# Altium PCB PCB1.PcbDoc (part 1 of 2) (continued)
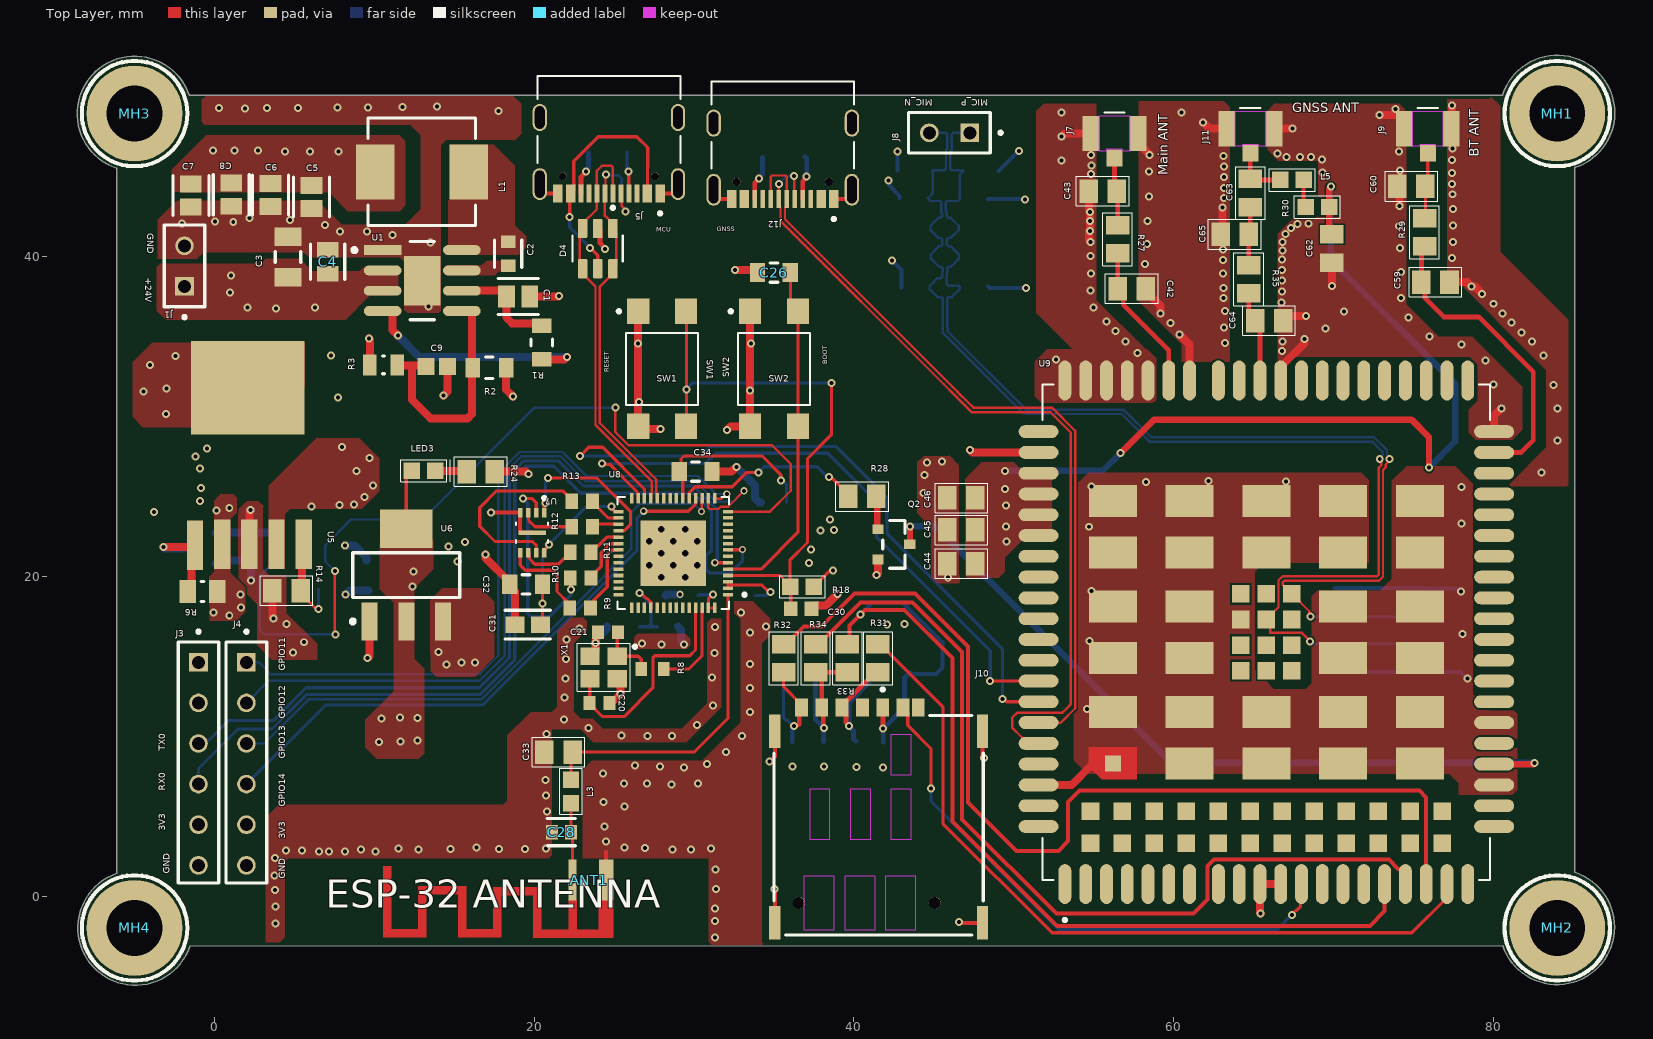
[diagram p0: Top Layer view]
## Part data (continued)
D4: "ESD Suppressor Diode Array Dual Uni-Dir 15kV Air Gap/15kV Contact Disc 6-Pin SOT-23 T/R", Breakdown Voltage=6V, Case/Package=SOT-23, Clamping Voltage=17V, Leakage Current=150nA, Manufacturer=STMicroelectronics, Max Operating Temperature=125°C, Max Repetitive Reverse Voltage (Vrrm)=5.25V, Min Operating Temperature=-40°C, Operating Supply Voltage=1.1V, Package Quantity=3000, Peak Pulse Current=5A, Power Line Protection=Yes, Test Current=1mA, Working Voltage=5V, Category="TVS Diodes", Clamping Voltage-Max=17V, ComponentLink1Description=https://datasheet.ciiva.com/1268/1690354-1268384.pdf?src-supplier=Element14, ComponentLink1URL=https://datasheet.ciiva.com/1268/1690354-1268384.pdf?src-supplier=Element14, ComponentLink2Description=https://datasheet.ciiva.com/4508/cd00050750-113117-4508433.pdf?src-supplier=Mouser, ComponentLink2URL=https://datasheet.ciiva.com/4508/cd00050750-113117-4508433.pdf?src-supplier=Mouser, ComponentLink3Description=https://datasheet.ciiva.com/15143/getdatasheetpartid-148465-15143789.pdf?src-supplier=Verical, ComponentLink3URL=https://datasheet.ciiva.com/15143/getdatasheetpartid-148465-15143789.pdf?src-supplier=Verical, ComponentLink4Description=https://datasheet.ciiva.com/16200/cd00050750-16200026.pdf?src-supplier=Future+Electronics, ComponentLink4URL=https://datasheet.ciiva.com/16200/cd00050750-16200026.pdf?src-supplier=Future+Electronics, ComponentLink5Description=https://datasheet.ciiva.com/41444/001184109-da-01-en-ic-esd-protecti-usblc6-2sc6-sot-23-6-stm-41444156.pdf?src-supplier=Conrad, ComponentLink5URL=https://datasheet.ciiva.com/41444/001184109-da-01-en-ic-esd-protecti-usblc6-2sc6-sot-23-6-stm-41444156.pdf?src-supplier=Conrad, Data Rate=480Mbps, Depth=1.75mm, Direction=Unidirectional,Bidirectional, ESD Protection=Yes, Height=1.3mm, Lead Free="Lead Free", Length=3.05mm, Manufacturer Part Number=USBLC6-2SC6, Max Breakdown Voltage=6V, Max Reverse Leakage Current=150nA, Min Breakdown Voltage=6V, Mounting Technology="Surface Mount", Number of Bidirectional Channels=2, Number of Channels=2, Number of Elements=1, Packaging="Tape and Reel", Pins=6, Polarity=Unidirectional,Bidirectional, Pricing="3000=0,0796, 6000=0,0796, 9000=0,0796 (USD)", Radiation Hardening=No, Reach SVHC Compliant=No, Reverse Breakdown Voltage=6V, Reverse Standoff Voltage=5.25V, RoHS=Yes, RoHS Compliant=Yes, Series=USB, Stock=222000, Supplier="Arrow Electronics", Supplier Part Number=USBLC6-2SC6, Termination=SMD/SMT, Width=1.75mm
D5 D6 D7 D8 D9 D10: library part "ESD PESD5V0L1BA", "Esd Protection Device, Tvs, 7.6 V, Sod-323, 2 Rohs Compliant: Yes", Breakdown Voltage=7V, Manufacturer="NXP Semiconductors", Operating Supply Voltage=5V, Supplier Part Number=0509447, Category="TVS Diodes", ComponentLink1Description=https://datasheet.ciiva.com/7973/682594-7973878.pdf?src-supplier=Element14, ComponentLink1URL=https://datasheet.ciiva.com/7973/682594-7973878.pdf?src-supplier=Element14, Manufacturer Part Number=PESD5V0L1BA, Number of Channels=1NUMBER, Pricing="20=0,211, 200=0,195, 500=0,183, 1000=0,167, 2000=0,154 (EUR)", RoHS=Yes, Supplier=Rs
J1 J8: library part "Header 1X2 2.54 mm", "Conn Unshrouded Header HDR 2 POS 2.54mm Solder ST Thru-Hole Automotive Carton", Color=49Colour, Current Rating=5A, Insulation Resistance=5GR, Manufacturer="TE Connectivity", Manufacturer Part Number=826629-2, Category="Headers and Wire Housings", ComponentLink1Description=https://www.te.com/commerce/DocumentDelivery/DDEController?Action=srchrtrv&amp;DocNm=826629&amp;DocType=Customer+Drawing&amp;DocLang=English&src-supplier=Digikey, ComponentLink1URL=https://www.te.com/commerce/DocumentDelivery/DDEController?Action=srchrtrv&amp;DocNm=826629&amp;DocType=Customer+Drawing&amp;DocLang=English&src-supplier=Digikey, ComponentLink2Description=https://datasheet.octopart.com/826629-2-TE-Connectivity---AMP-datasheet-17024315.pdf?src-supplier=Element14, ComponentLink2URL=https://datasheet.octopart.com/826629-2-TE-Connectivity---AMP-datasheet-17024315.pdf?src-supplier=Element14, ComponentLink3Description=https://datasheet.octopart.com/826629-2-TE-Connectivity---AMP-datasheet-179310416.pdf?src-supplier=Farnell, ComponentLink3URL=https://datasheet.octopart.com/826629-2-TE-Connectivity---AMP-datasheet-179310416.pdf?src-supplier=Farnell, ComponentLink4Description=https://datasheet.octopart.com/826629-2-TE-Connectivity---AMP-datasheet-44414285.pdf?src-supplier=Electro+Sonic, ComponentLink4URL=https://datasheet.octopart.com/826629-2-TE-Connectivity---AMP-datasheet-44414285.pdf?src-supplier=Electro+Sonic, ComponentLink5Description=https://datasheet.octopart.com/826629-2-TE-Connectivity-datasheet-181566106.pdf?src-supplier=Sager+Electronics, ComponentLink5URL=https://datasheet.octopart.com/826629-2-TE-Connectivity-datasheet-181566106.pdf?src-supplier=Sager+Electronics, Contact Plating=154,157ConductorMaterial, Contact Style=4753ConnectorType, Gender=29Gender, Height=10mm, Housing Color=49Colour, Housing Material=175ConductorMaterial, Lead Free=5697LeadFree, Lead Pitch=2.54mm, Number of Contacts=2NUMBER, Orientation=5495OrientationType, Pins=2NUMBER, Pricing="1=0,15044, 10=0,14915, 30=0,14703, 50=0,14491, 100=0,14279 (USD)", RoHS=Yes, RoHS Compliant=5897YesNo, Row Spacing=2.54mm, Stock=21749, Supplier=Avnet, Supplier Part Number=826629-2
J3 J4: library part "Header Male 1X6", "THT Vertical Pin Header WR-PHD, Pitch 2.54 mm, Single Row, 6 pins", Color=Black, Contact Resistance=20mR, Current Rating=3A, Manufacturer="Wurth Electronics", Manufacturer Part Number=61300611121, Max Operating Temperature=125°C, Min Operating Temperature=-40°C, Operating Supply Voltage=250V, Supplier Part Number=710-61300611121, Category="Headers and Wire Housings", ComponentLink1Description=http://www.mouser.com/ds/2/445/6130xx11121-538006.pdf?src-supplier=Mouser, ComponentLink1URL=http://www.mouser.com/ds/2/445/6130xx11121-538006.pdf?src-supplier=Mouser, ComponentLink2Description=http://www.farnell.com/cad/1737268.pdf?src-supplier=Element14, ComponentLink2URL=http://www.farnell.com/cad/1737268.pdf?src-supplier=Element14, ComponentLink3Description=https://datasheet.octopart.com/61300611121-W%C3%BCrth-Elektronik-datasheet-21154836.pdf?src-supplier=Element14, ComponentLink3URL=https://datasheet.octopart.com/61300611121-W%C3%BCrth-Elektronik-datasheet-21154836.pdf?src-supplier=Element14, ComponentLink4Description=https://katalog.we-online.de/em/datasheet/6130xx11121.pdf?src-supplier=Digikey, ComponentLink4URL=https://katalog.we-online.de/em/datasheet/6130xx11121.pdf?src-supplier=Digikey, Contact Gender=Male, Contact Material="Copper Alloy,Copper", Contact Mating Length=0.236inch, Contact Plating=Gold, Contact Type="Male Pin", Gender=29Gender, Height=8.89mm, Housing Material=PBT, Lead Free=5697LeadFree, Mounting Technology="Through Hole", Number of Contacts=6, Number of Positions=6, Number of Rows=1, Orientation=5495OrientationType, Packaging=Bulk, Pitch=0.1inch, Pricing="1=0,35, 10=0,298, 50=0,207, 100=0,187, 1000=0,171, 10000=0,17 (USD)", Reach SVHC Compliant=Unknown, RoHS=Yes, RoHS Compliant=Yes, Series=WR-PHD, Stock=8481, Supplier=Mouser, Termination="Through Hole", Voltage Rating=250V
J5 J12: Manufacturer="HRO Electronics", Supplier Part Number=C165948, Category=LDO, Manufacturer Part Number=TYPE-C-31-M-12, Pricing="5=0,171, 50=0,1346, 150=0,1168, 1000=0,0966, 2000=0,0923, 5000=0,0896 (USD)", RoHS=No, Stock=137245, Supplier=LCSC
J7 J9 J11: "RF COAX Connector, U.FL JACK, PCB, 50 OHM; Co; Connector Type: U.FL Coaxial; Body Style: Straight", Frequency=8GHz, Manufacturer=Hirose, Category="RF / Coaxial Connectors", ComponentLink1Description=http://www.mouser.com/ds/2/185/U.FL_catalog-939761.pdf?src-supplier=Mouser, ComponentLink1URL=http://www.mouser.com/ds/2/185/U.FL_catalog-939761.pdf?src-supplier=Mouser, ComponentLink2Description=https://www.hirose.com/product/en/download_file/key_name/U.FL-R-SMT-1%2880%29/category/Specification%20Sheet/doc_file_id/37638/?file_category_id=9&item_id=03310472280&is_series=&src-supplier=Digikey, ComponentLink2URL=https://www.hirose.com/product/en/download_file/key_name/U.FL-R-SMT-1%2880%29/category/Specification%20Sheet/doc_file_id/37638/?file_category_id=9&item_id=03310472280&is_series=&src-supplier=Digikey, ComponentLink3Description=https://datasheet.octopart.com/U.FL-R-SMT-1%2880%29-Hirose-datasheet-137256329.pdf?src-supplier=Future+Electronics, ComponentLink3URL=https://datasheet.octopart.com/U.FL-R-SMT-1%2880%29-Hirose-datasheet-137256329.pdf?src-supplier=Future+Electronics, ComponentLink4Description=https://datasheet.octopart.com/U.FL-R-SMT-1%2880%29-Hirose-datasheet-151510633.pdf?src-supplier=TME, ComponentLink4URL=https://datasheet.octopart.com/U.FL-R-SMT-1%2880%29-Hirose-datasheet-151510633.pdf?src-supplier=TME, Contact Plating=157,159ConductorMaterial, Height=1.45mm, Lead Free=5697LeadFree, Manufacturer Part Number=U.FL-R-SMT-1(80), Number of Contacts=1NUMBER, Orientation=5491OrientationType, Pricing="10000=0,62403 (USD)", RoHS=Yes, Stock=10, Supplier=Avnet, Supplier Part Number=U.FL-R-SMT-1(80)
J10: "SIM8066 Series 6 Position 1.44 mm Pitch Push Push Type Nano SIM Card Connector", Manufacturer="Global Connector Technology", Supplier Part Number=3772945, Category=Connectors, ComponentLink1Description=https://datasheet.octopart.com/SIM8066-6-1-14-01-A-Global-Connector-Technology-datasheet-155811920.pdf?src-supplier=Future+Electronics, ComponentLink1URL=https://datasheet.octopart.com/SIM8066-6-1-14-01-A-Global-Connector-Technology-datasheet-155811920.pdf?src-supplier=Future+Electronics, Manufacturer Part Number=SIM8066-6-1-14-01-A, Pins=6, Pricing="1=1,11, 37=0,904, 112=0,859, 300=0,813, 750=0,677 (EUR)", RoHS=No, Stock=12609, Supplier=Farnell
L1: library part CMP-02424-000391-1, "Automotive Inductors, High Saturation Series 6.8uH 4.5A 60mΩ 20%", Case/Package=2525, DC Resistance (DCR)=60mR, Max Operating Temperature=125°C, Min Operating Temperature=-55°C, Resistance=0.06R, Test Frequency=100kHz, Tolerance=20%, Depth=6.72mm, Inductance=6.8uH, Lead Free="Lead Free", Length=7.24mm, Military Standard=Not, Packaging="Tape and Reel", Shielding=Shielded, Width=6.48mm
L2 L3: library part "Inductor 2.2nH 0603", "2nH 0603 Inductors (SMD) ROHS", Manufacturer="FH (Guangdong Fenghua Advanced Tech)", Manufacturer Part Number=VHF160808H2N0ST
L5: library part "Inductor 47 nH 0603", "Ind RF Chip Shielded Multi-Layer 47nH 20% 50MHz 10Q-Factor Ferrite 200mA 0603 Punched Paper T/R", Manufacturer="TDK EPCOS", Manufacturer Part Number=MLF1608D47NMTA00, Supplier Part Number=810-MLF1608D47NMTA00, Category="Fixed Inductors", ComponentLink1Description=https://datasheet.ciiva.com/29698/inductor-commercial-standard-mlf-en-29698906.pdf?src-supplier=Digikey, ComponentLink1URL=https://datasheet.ciiva.com/29698/inductor-commercial-standard-mlf-en-29698906.pdf?src-supplier=Digikey, ComponentLink2Description=https://datasheet.ciiva.com/29698/inductor-commercial-standard-mlf-en-29698907.pdf?src-supplier=Digikey, ComponentLink2URL=https://datasheet.ciiva.com/29698/inductor-commercial-standard-mlf-en-29698907.pdf?src-supplier=Digikey, ComponentLink3Description=https://datasheet.ciiva.com/29698/inductor-commercial-standard-mlf-en-29698908.pdf?src-supplier=Digikey, ComponentLink3URL=https://datasheet.ciiva.com/29698/inductor-commercial-standard-mlf-en-29698908.pdf?src-supplier=Digikey, Pricing="1=0,1, 10=0,084, 50=0,084, 100=0,069, 1000=0,057, 10000=0,044 (USD)", RoHS=Yes, Stock=24480, Supplier=Mouser
LED3: library part LED_Yellow_0603, "TJ-S1608SW6TGLCCW-A5", Manufacturer=Togialed, Supplier Part Number=C192669, Manufacturer Part Number=TJ-S1608SW6TGLCCW-A5, Pricing="10=0,0384, 100=0,0311, 300=0,0275, 1000=0,0248, 4000=0,0209, 8000=0,0198 (USD)", RoHS=No, Stock=15460, Supplier=LCSC
MH1 MH2 MH3 MH4: library part MH_3.5H_6D, Alternate Part Number-1=NA, Case/Package=TH, Manufacturer=NA, Manufacturer Part Number=NA, Supplier Part Number-1=NA, Supplier-1=NA
Q1 Q2: library part CMP-14406-000007-1, "TRANS NPN 45V 0.5A SOT23", Ambient Temperature Range High=+150°C, Ambient Temperature Range Low=-65°C, Collector Base Voltage=50V, Collector Emitter Breakdown Voltage=45V, Collector Emitter Saturation Voltage=700mV, Emitter Base Voltage=5V, Manufacturer=Nexperia, Max Collector Current=500mA, Package=SOT23, Power Dissipation=250mW, Temperature="to +150°C", Unity Gain Freq=100MHz, Automotive=Yes, Automotive Grade="Grade 0", Category=Trans, Collector Emitter Voltage=45V, ComponentLink2Description=Datasheet, ComponentLink2URL=https://assets.nexperia.com/documents/data-sheet/BC817_SER.pdf, Device Class L1="Discrete Semiconductors", Device Class L2=Transistors, Device Class L3=BJTs, Digikey Description="TRANS NPN 45V 0.5A SOT23", Footprint Url=https://assets.nexperia.com/documents/outline-drawing/SOT23.pdf, Height=1.1mm, Hfe Max=600, Hfe Min=250, Hfe Testic=100mA, Hfe Testvce=1V, Ipc Land Pattern Name=SOT95P230X100-3, Lead Free=Yes, Manufacturer Part Number=BC817-40,215, Max Junction Temp=+150°C, Mouser Description="BC817 Series 45 V 500 mA 250 mW SMT NPN General-Purpose Transistor - SOT-23-", Number of Elements=1, Number Of Npn=1, Octopart=https://octopart.com/bc817-40%2C215-nexperia-78739081, RoHS=TRUE, Rthja Max=500K/W, Temperature Range High=+150°C
R1 R2 R7: library part CMP-2001-01711-2, "RES SMD 100K OHM 0.1% 1/8W 0805", Manufacturer=Yageo, Manufacturer Part Number=RT0805BRD07100KL, Package=RT0805, Power Rating=0.125W, Resistance=100KΩ, Temperature="-55°C to +155°C", Temperature Coefficient="25 ppm/°C", Temperature Range High=+155°C, Temperature Range Low=-55°C, Tolerance=0.0025, Voltage Rating=150V, Automotive=No, Category=Res, ComponentLink2Description=Datasheet, ComponentLink2URL=http://www.yageo.com/documents/recent/PYu-RT_1-to-0.01_RoHS_L_9.pdf, Composition="Thin Film", Device Class L1="Passive Components", Device Class L2=Resistors, Device Class L3="Chip SMD Resistors", Digikey Description="RES SMD 100K OHM 0.1% 1/8W 0805", Footprint Url=http://www.yageo.com/exep/pages/download/literatures/PYu-R_Mount_10.pdf, Height=0.6mm, Ipc Land Pattern Name=RESC200125X50, Lead Free=Yes, Mouser Description="Thin Film Resistors - SMD 100K ohm 0.1% 1/8W", Octopart=https://octopart.com/rt0805brd07100kl-yageo-1388347, RoHS=TRUE, Series=RT
R3: library part CMP-1013-00666-1, "24K9 0.125W 1% 0805 (2012 Metric)  SMD", Case-EIA=0805, Case-Metric=2012, Power="0.125 W", Tolerance="1 %", Technology=SMT
R4: library part CMP-1659-00011-4, "Chip Resistor, 47 KOhm, +/- 1%, 0.125 W, -55 to 155 degC, 0805 (2012 Metric), RoHS, Tape and Reel", Manufacturer=Yageo, Max Operating Temperature="155 degC", Min Operating Temperature="-55 degC", Package Quantity=200, Voltage Rating="150 V", ComponentLink1Description="Manufacturer URL", ComponentLink1URL=http://www.yageo.com/, ComponentLink2Description=Datasheet, ComponentLink2URL=http://www.yageo.com/documents/recent/PYu-RC_Group_51_RoHS_L_04.pdf, DatasheetVersion="Rev. 4, 02/2016", Height="0.5 mm", Length="2 mm", Mount="Surface Mount", Mounting Technology="Surface Mount", PackageDescription="2-Pin Surface Mounted Device, Body 2 x 1.25 mm", PackageReference=0805, Packaging="Tape and Reel", Pins=2, REACH SVHC="No SVHC", RoHSCompliant=true
R5: library part CMP-2100-03615-2, "RES Thick Film, 4.7kΩ, 1%, 0.125W, 100ppm/°C, 0805", Case Code (Imperial)=0805, Case Code (Metric)=2012, Max Operating Temperature=155°C, Max Power Dissipation=125mW, Min Operating Temperature=-55°C, Package Quantity=10, Resistance=4.7kR, Temperature Coefficient=100ppm/°C, Tolerance=1%, Voltage Rating=150V, Case/Package=0805, Composition="Thick Film", Contact Plating=Tin, Depth=1.25mm, Features="Automotive AEC-Q200", Height=0.45mm, Lead Free="Lead Free", Length=2mm, Military Standard=Not, Number of Terminations=2, Packaging="Tape and Reel", Power Rating=125mW, Radiation Hardening=No, Termination=SMD/SMT, Voltage Rating (DC)=150V, Weight=0.000194oz, Width=1.25mm
R6: library part CMP-2001-03993-1, Manufacturer="Vishay Dale", Part Number=CRCW080551K0FKEA
R8: library part CMP-1659-00033-1, "Chip Resistor, 22 Ohm, +/- 1%, 0.1 W, -55 to 155 degC, 0603 (1608 Metric), RoHS, Tape and Reel", Case\Package=SIP, Max Input Voltage="1.4 V", Max Operating Temperature="100 degC", Max Ouput Current="8 A", Min Operating Temperature="-25 degC", Package Quantity=200, ComponentLink1Description="Manufacturer URL", ComponentLink1URL=http://www.yageo.com/, ComponentLink2Description=Datasheet, ComponentLink2URL=http://www.yageo.com/documents/recent/PYu-RC_Group_51_RoHS_L_04.pdf, DatasheetVersion="Rev. 4, 02/2016", Height="19.6 mm", Length="18.5 mm", Mount="Through Hole", Output Current="8 A", PackageDescription="2-Pin Surface Mount Device, Body 1.6 x 0.8 mm", PackageReference=0603, Packaging=Rail/Tube, Pins=4, Radiation Hardening=No, REACH SVHC=Unknown, RoHSCompliant=true
R9 R10 R11 R12 R13: library part CMP-2000-03816-5, "Chip Resistor, 0 Ohm, Jumper, 100 mW, -55 to 155 degC, 0603 (1608 Metric), RoHS, Tape and Reel", Manufacturer="Vishay Semiconductor", Max Operating Temperature="155 degC", Min Operating Temperature="-55 degC", Package Quantity=5000, Voltage Rating="75 V", ComponentLink1Description="Manufacturer URL", ComponentLink1URL=http://www.vishay.com/, ComponentLink2Description=Datasheet, ComponentLink2URL=http://www.vishay.com/docs/20035/dcrcwe3.pdf, DatasheetVersion=06/2012, Height="0.45 mm", Length="1.55 mm", Mount="Surface Mount", Mounting Technology="Surface Mount", PackageDescription="2-Pin Surface Mount Device, Body 1.575 x 0.85 mm", PackageReference=0603, Packaging="Tape and Reel", Pins=2, REACH SVHC=Unknown, RoHSCompliant=true
R14: library part "RES 47K 0805", "125Mw Thick Film Resistors 100Ppm/ 1% 47K 0805 Chip Resistor Surface Mount Rohs", Case Code (Imperial)=0805, Case Code (Metric)=2012, Manufacturer=Yageo, Manufacturer Part Number=RC0805FR-0747KL, Max Operating Temperature=155°C, Max Power Dissipation=125mW, Min Operating Temperature=-55°C, Resistance Tolerance=1%, Resistor Type="Thick Film", Temperature Coefficient=100ppm/°C, Voltage Rating=150V, Case/Package=0805, Category="Chip SMD Resistors", ComponentLink1Description=https://datasheet.ciiva.com/7941/1686128-7941799.pdf?src-supplier=Element14, ComponentLink1URL=https://datasheet.ciiva.com/7941/1686128-7941799.pdf?src-supplier=Element14, ComponentLink2Description=https://datasheet.ciiva.com/46447/444164-46447581.pdf?src-supplier=Element14, ComponentLink2URL=https://datasheet.ciiva.com/46447/444164-46447581.pdf?src-supplier=Element14, ComponentLink3Description=https://datasheet.ciiva.com/7941/444164-7941800.pdf?src-supplier=Element14, ComponentLink3URL=https://datasheet.ciiva.com/7941/444164-7941800.pdf?src-supplier=Element14, ComponentLink4Description=https://datasheet.ciiva.com/7941/444164-7941801.pdf?src-supplier=Element14, ComponentLink4URL=https://datasheet.ciiva.com/7941/444164-7941801.pdf?src-supplier=Element14, ComponentLink5Description=https://datasheet.ciiva.com/16742/rc0805-16742265.pdf?src-supplier=Future+Electronics, ComponentLink5URL=https://datasheet.ciiva.com/16742/rc0805-16742265.pdf?src-supplier=Future+Electronics, Contact Plating=Tin,Matte, Features="Moisture Resistant", Height=0.5mm, Lead Free=5697LeadFree, Length=2mm, Number of Terminations=2, Packaging="Tape and Reel", Pins=2, Power Rating=125mW, Pricing="5000=0,00212, 10000=0,00209, 20000=0,00206, 30000=0,00203, 40000=0,00202 (USD)", Reach SVHC Compliant=Unknown, RoHS=Yes, RoHS Compliant=Yes, Series=RC, Stock=70000, Supplier=Avnet, Supplier Part Number=RC0805FR-0747KL, Termination=SMD/SMT, Tolerance=1%, Voltage Rating (AC)=150V, Voltage Rating (DC)=150V, Width=1.25mm, Working Voltage=150V
R18: library part R_100K_0603, "Res Thick Film 0603 100K Ohm 1% 0.1W(1/10W) ±100ppm/C Pad SMD Automotive T/R", Case Code (Imperial)=0603, Case Code (Metric)=1608, Manufacturer="Stackpole Electronics", Manufacturer Part Number=RMCF0603FT100K, Max Operating Temperature=155°C, Max Power Dissipation=100mW, Min Operating Temperature=-55°C, Supplier Part Number=RMCF0603FT100KCT-ND, Temperature Coefficient=100ppm/°C, Tolerance=1%, Voltage Rating=75V, Case/Package=0603, Category="Chip SMD Resistors", ComponentLink1Description=https://datasheet.ciiva.com/15193/getdatasheetpartid-362597-15193437.pdf?src-supplier=Verical, ComponentLink1URL=https://datasheet.ciiva.com/15193/getdatasheetpartid-362597-15193437.pdf?src-supplier=Verical, Construction=Rectangular, Contact Plating=Tin,Matte, Depth=0.8mm, Features="Automotive AEC-Q200", Height=0.022inch, Lead Free=5697LeadFree, Length=1.55mm, Military Standard=Not, Mounting Technology="Surface Mount", Number of Terminations=2, Packaging="Tape and Reel", Pricing="1=0,1, 10=0,02, 100=0,0091, 1000=0,0048, 2500=0,00386 (USD)", Radiation Hardening=No, RoHS=Yes, RoHS Compliant=Yes, Series=RMCF, Stock=722640, Supplier=Digikey, Width=0.031inch
R24 R28: library part "Res 1K 0805", "125Mw Thick Film Resistors 100Ppm/ 1% 1K 0805 Chip Resistor Surface Mount Rohs", Case Code (Imperial)=0805, Case Code (Metric)=2012, Manufacturer=Yageo, Manufacturer Part Number=RC0805FR-071KL, Max Operating Temperature=155°C, Max Power Dissipation=125mW, Min Operating Temperature=-55°C, Package Quantity=1, Resistance Tolerance=1%, Resistor Type="Thick Film", Supplier Part Number=82K7536, Temperature Coefficient=100ppm/°C, Voltage Rating=150V, Case/Package=0805, Category="Chip SMD Resistors", ComponentLink1Description=https://datasheet.ciiva.com/7941/1686128-7941719.pdf?src-supplier=Element14, ComponentLink1URL=https://datasheet.ciiva.com/7941/1686128-7941719.pdf?src-supplier=Element14, ComponentLink2Description=https://datasheet.ciiva.com/46385/444164-46385020.pdf?src-supplier=Element14, ComponentLink2URL=https://datasheet.ciiva.com/46385/444164-46385020.pdf?src-supplier=Element14, ComponentLink3Description=https://datasheet.ciiva.com/2456/pyu-r-int-thick-7-2456976.pdf?src-supplier=Digikey, ComponentLink3URL=https://datasheet.ciiva.com/2456/pyu-r-int-thick-7-2456976.pdf?src-supplier=Digikey, ComponentLink4Description=https://datasheet.ciiva.com/2456/pyu-r-int-thick-7-2456977.pdf?src-supplier=Digikey, ComponentLink4URL=https://datasheet.ciiva.com/2456/pyu-r-int-thick-7-2456977.pdf?src-supplier=Digikey, ComponentLink5Description=https://datasheet.ciiva.com/2456/pyu-r-int-thick-7-2456975.pdf?src-supplier=Digikey, ComponentLink5URL=https://datasheet.ciiva.com/2456/pyu-r-int-thick-7-2456975.pdf?src-supplier=Digikey, ComponentLink6Description=https://datasheet.ciiva.com/16850/rc0805-16850409.pdf?src-supplier=Future+Electronics, ComponentLink6URL=https://datasheet.ciiva.com/16850/rc0805-16850409.pdf?src-supplier=Future+Electronics, Construction=Rectangular, Depth=1.25mm, Features="Moisture Resistant", Height=0.024inch, Lead Free="Lead Free", Length=0.079inch, Military Standard=Not, Number of Terminations=2, Packaging="Tape and Reel", Pins=2, Power Rating=125mW, Pricing="10=0,014, 25=0,012, 50=0,01, 100=0,009 (USD)", Reach SVHC Compliant=No, RoHS=Yes, RoHS Compliant=Yes, Series=RC, Stock=255910, Supplier=Avnet, Termination=SMD/SMT, Tolerance=1%, Voltage Rating (AC)=150V, Voltage Rating (DC)=150V, Width=0.049inch
R25 R26 R36 R37: library part "RES 5.1K 0805", "Res Thin Film 0805 5.1K Ohm 0.1% 1/8W ±10ppm/°C Molded SMD Paper T/R", Case Code (Imperial)=0805, Case Code (Metric)=2012, Manufacturer=Yageo, Manufacturer Part Number=RT0805BRD075K1L, Max Operating Temperature=155°C, Max Power Dissipation=125mW, Min Operating Temperature=-55°C, Package Quantity=5000, Supplier Part Number=YAG1938CT-ND, Temperature Coefficient=25ppm/°C, Voltage Rating=150V, Case/Package=0805, Category="Chip SMD Resistors", ComponentLink1Description=https://datasheet.ciiva.com/12810/pyu-rt-1-to-0-05-rohs-l-4-12810709.pdf?src-supplier=Mouser, ComponentLink1URL=https://datasheet.ciiva.com/12810/pyu-rt-1-to-0-05-rohs-l-4-12810709.pdf?src-supplier=Mouser, ComponentLink2Description=https://datasheet.ciiva.com/2585/pyu-rt-1-to-0-05-rohs-l-4-2585107.pdf?src-supplier=Digikey, ComponentLink2URL=https://datasheet.ciiva.com/2585/pyu-rt-1-to-0-05-rohs-l-4-2585107.pdf?src-supplier=Digikey, ComponentLink3Description=https://datasheet.ciiva.com/46635/pyu-rt-1-to-0-05-rohs-l-5-46635340.pdf?src-supplier=Digikey, ComponentLink3URL=https://datasheet.ciiva.com/46635/pyu-rt-1-to-0-05-rohs-l-5-46635340.pdf?src-supplier=Digikey, Features="Moisture Resistant", Height=0.024inch, Lead Free="Lead Free", Length=0.079inch, Number of Terminations=2, Packaging="Tape and Reel", Power Rating=125mW, Pricing="1=0,14, 10=0,099, 50=0,0918, 100=0,0826, 500=0,06324, 1000=0,05712 (USD)", RoHS=Yes, RoHS Compliant=Yes, Series=RT, Stock=24867, Supplier=Digikey, Termination=SMD/SMT, Voltage Rating (DC)=150V, Weight=0.000194oz, Width=1.25mm
R27 R29 R31 R32 R34 R35: library part "Res 0 R 0805", "GENERAL PURPOSE CHIP RESISTOR Metal Glaze/thick Film, 0.125W, 0ohm, Surface Mount, 0805", Case Code (Imperial)=0805, Case Code (Metric)=2012, Manufacturer=Yageo, Manufacturer Part Number=RC0805JR-070RL, Max Operating Temperature=155°C, Max Power Dissipation=125mW, Min Operating Temperature=-55°C, Resistance Tolerance=5%, Resistor Type="Thick Film", Supplier Part Number=311-0.0ARCT-ND, Temperature Coefficient=200ppm/°C, Voltage Rating=150V, Case/Package=0805, Category="Chip SMD Resistors", ComponentLink1Description=https://datasheet.ciiva.com/11819/0900766b8106beab-11819430.pdf?src-supplier=Rs, ComponentLink1URL=https://datasheet.ciiva.com/11819/0900766b8106beab-11819430.pdf?src-supplier=Rs, ComponentLink2Description=https://datasheet.ciiva.com/7941/1738694-7941861.pdf?src-supplier=Element14, ComponentLink2URL=https://datasheet.ciiva.com/7941/1738694-7941861.pdf?src-supplier=Element14, ComponentLink3Description=https://datasheet.ciiva.com/7941/1738694-7941862.pdf?src-supplier=Element14, ComponentLink3URL=https://datasheet.ciiva.com/7941/1738694-7941862.pdf?src-supplier=Element14, ComponentLink4Description=https://datasheet.ciiva.com/7941/1738694-7941863.pdf?src-supplier=Element14, ComponentLink4URL=https://datasheet.ciiva.com/7941/1738694-7941863.pdf?src-supplier=Element14, Construction=Rectangular, Contact Plating=Tin,Matte, Depth=1.25mm, Features="Moisture Resistant", Height=0.5mm, Lead Free=5697LeadFree, Length=2mm, Military Standard=Not, Number of Terminations=2, Packaging="Tape and Reel", Pins=2, Power Rating=125mW, Pricing="1=0,1, 10=0,015, 25=0,0128, 50=0,011, 100=0,0097, 250=0,00812, 500=0,00716, 1000=0,00633 (USD)", Reach SVHC Compliant=Unknown, RoHS=Yes, RoHS Compliant=Yes, Series=RC, Stock=947133, Supplier=Digikey, Technology="THICK FILM", Termination=SMD/SMT, Tolerance=5%, Voltage Rating (DC)=150V, Width=1.25mm
R30: library part "Res 10 OHM 0603", "Res Thick Film 0603 10 Ohm 1% 0.1W(1/10W) ±200ppm/C Pad SMD T/R", Case Code (Imperial)=0603, Case Code (Metric)=1608, Manufacturer=Yageo, Manufacturer Part Number=RC0603FR-0710RL, Max Operating Temperature=155°C, Max Power Dissipation=100mW, Min Operating Temperature=-55°C, Resistance Tolerance=1%, Resistor Type="Thick Film", Temperature Coefficient=200ppm/°C, Voltage Rating=50V, Case/Package=0603, Category="Chip SMD Resistors", ComponentLink1Description=https://datasheet.ciiva.com/11808/0900766b80f96399-11808140.pdf?src-supplier=Rs, ComponentLink1URL=https://datasheet.ciiva.com/11808/0900766b80f96399-11808140.pdf?src-supplier=Rs, ComponentLink2Description=https://datasheet.ciiva.com/7746/443971-7746245.pdf?src-supplier=Element14, ComponentLink2URL=https://datasheet.ciiva.com/7746/443971-7746245.pdf?src-supplier=Element14, ComponentLink3Description=https://datasheet.ciiva.com/8891/pyu-rc0603-51-rohs-l-4-8891285.pdf?src-supplier=Avnet, ComponentLink3URL=https://datasheet.ciiva.com/8891/pyu-rc0603-51-rohs-l-4-8891285.pdf?src-supplier=Avnet, Construction=Rectangular, Contact Plating=Tin,Matte, Depth=0.8mm, Features="Moisture Resistant", Height=0.45mm, Lead Free=5697LeadFree, Length=1.6mm, Military Standard=Not, Number of Terminations=2, Packaging="Tape and Reel", Pins=2, Power Rating=100mW, Pricing="5000=0,00309, 10000=0,00304, 20000=0,003, 30000=0,00295, 40000=0,0029 (USD)", Reach SVHC Compliant=No, RoHS=Yes, RoHS Compliant=Yes, Series=RC, Stock=1840000, Supplier=Avnet, Supplier Part Number=RC0603FR-0710RL, Technology="THICK FILM", Termination=SMD/SMT, Tolerance=1%, Voltage Rating (DC)=50V, Width=0.8mm
R33: library part "RES 15K 0805", "125Mw Thick Film Resistors 100Ppm/ 1% 15K 0805 Chip Resistor Surface Mount Rohs", Case Code (Imperial)=0805, Case Code (Metric)=2012, Manufacturer=Yageo, Manufacturer Part Number=RC0805FR-0715KL, Max Operating Temperature=155°C, Max Power Dissipation=125mW, Min Operating Temperature=-55°C, Package Quantity=1, Resistance Tolerance=1%, Resistor Type="Thick Film", Temperature Coefficient=100ppm/°C, Voltage Rating=150V, Case/Package=0805, Category="Chip SMD Resistors", ComponentLink1Description=https://datasheet.ciiva.com/46412/444164-46412861.pdf?src-supplier=Element14, ComponentLink1URL=https://datasheet.ciiva.com/46412/444164-46412861.pdf?src-supplier=Element14, ComponentLink2Description=https://datasheet.ciiva.com/46447/444164-46447567.pdf?src-supplier=Element14, ComponentLink2URL=https://datasheet.ciiva.com/46447/444164-46447567.pdf?src-supplier=Element14, ComponentLink3Description=https://datasheet.ciiva.com/2457/pyu-r-int-thick-7-2457069.pdf?src-supplier=Digikey, ComponentLink3URL=https://datasheet.ciiva.com/2457/pyu-r-int-thick-7-2457069.pdf?src-supplier=Digikey, ComponentLink4Description=https://datasheet.ciiva.com/2457/pyu-r-int-thick-7-2457070.pdf?src-supplier=Digikey, ComponentLink4URL=https://datasheet.ciiva.com/2457/pyu-r-int-thick-7-2457070.pdf?src-supplier=Digikey, ComponentLink5Description=https://datasheet.ciiva.com/2457/pyu-r-int-thick-7-2457068.pdf?src-supplier=Digikey, ComponentLink5URL=https://datasheet.ciiva.com/2457/pyu-r-int-thick-7-2457068.pdf?src-supplier=Digikey, ComponentLink6Description=https://datasheet.ciiva.com/12577/rc0805-12577708.pdf?src-supplier=Mouser, ComponentLink6URL=https://datasheet.ciiva.com/12577/rc0805-12577708.pdf?src-supplier=Mouser, Construction=Rectangular, Depth=1.25mm, Features="Moisture Resistant", Height=0.024inch, Lead Free=5697LeadFree, Length=2mm, Military Standard=Not, Number of Terminations=2, Packaging="Tape and Reel", Power Rating=125mW, Pricing="5000=0,00212, 10000=0,00209, 20000=0,00206, 30000=0,00203, 40000=0,00199 (USD)", Reach SVHC Compliant=No, RoHS=Yes, RoHS Compliant=Yes, Series=RC, Stock=15000, Supplier=Avnet, Supplier Part Number=RC0805FR-0715KL, Termination=SMD/SMT, Tolerance=1%, Voltage Rating (AC)=150V, Weight=0.000194oz, Width=0.049inch
SW1 SW2: library part SW_Tactile_SPST, "TL3305A Series SPST 12 V 4.5 x 4.5 mm 260 gf Top Actuated SMT Tactile Switch", Manufacturer=E-Switch, Manufacturer Part Number=TL3305AF260QG, Max Operating Temperature=70°C, Min Operating Temperature=-20°C, Operating Force=260gf, Supplier Part Number=EG5353CT-ND, Actuator Type=Standard, Category="Tactile Switches", ComponentLink1Description=http://www.farnell.com/datasheets/2554191.pdf?src-supplier=Farnell, ComponentLink1URL=http://www.farnell.com/datasheets/2554191.pdf?src-supplier=Farnell, ComponentLink2Description=http://www.farnell.com/datasheets/2554191.pdf?src-supplier=Newark, ComponentLink2URL=http://www.farnell.com/datasheets/2554191.pdf?src-supplier=Newark, ComponentLink3Description=http://spec_sheets.e-switch.com/specs/P010471.pdf?src-supplier=Mouser, ComponentLink3URL=http://spec_sheets.e-switch.com/specs/P010471.pdf?src-supplier=Mouser, ComponentLink4Description=http://www.farnell.com/datasheets/2554191.pdf?src-supplier=Element14, ComponentLink4URL=http://www.farnell.com/datasheets/2554191.pdf?src-supplier=Element14, ComponentLink5Description=http://spec_sheets.e-switch.com/specs/P010471.pdf?src-supplier=Digikey, ComponentLink5URL=http://spec_sheets.e-switch.com/specs/P010471.pdf?src-supplier=Digikey, ComponentLink6Description=http://spec_sheets.e-switch.com/specs/P010471.pdf?src-supplier=NAC+Semi, ComponentLink6URL=http://spec_sheets.e-switch.com/specs/P010471.pdf?src-supplier=NAC+Semi, Illumination Type=Non-Illuminated, Lead Free="Lead Free", Mechanical Life=200000Cycles, Mounting Technology="Surface Mount", Packaging="Cut Tape", Pricing="1=0,2, 10=0,176, 25=0,1664, 100=0,153, 250=0,14456, 500=0,1385, 1000=0,13264 (USD)", RoHS=No, Series=TL3305, Stock=97166, Supplier=Digikey, Switch Function=Off-Mom, Switch Travel=0.2mm, Termination="Gull Wing", Throw Configuration=SPST
U1: library part CMP-04918-000399-1, "36V 4A 400KHZ REGULATOR"
U5: library part "LDO MIC29302AWU-TR", "IC REG LDO ADJ 3A TO263-5", Manufacturer=Microchip, Supplier Part Number=2851564RL, Category="Voltage Regulators - Linear", ComponentLink1Description=https://datasheet.ciiva.com/13026/mic29150-13026090.pdf?src-supplier=Mouser, ComponentLink1URL=https://datasheet.ciiva.com/13026/mic29150-13026090.pdf?src-supplier=Mouser, ComponentLink2Description=https://datasheet.ciiva.com/16467/mic29302a-16467068.pdf?src-supplier=Future+Electronics, ComponentLink2URL=https://datasheet.ciiva.com/16467/mic29302a-16467068.pdf?src-supplier=Future+Electronics, ComponentLink3Description=https://datasheet.ciiva.com/2054/mic29302a-2054246.pdf?src-supplier=Digikey, ComponentLink3URL=https://datasheet.ciiva.com/2054/mic29302a-2054246.pdf?src-supplier=Digikey, ComponentLink4Description=https://datasheet.ciiva.com/2054/mic29302a-2054247.pdf?src-supplier=Digikey, ComponentLink4URL=https://datasheet.ciiva.com/2054/mic29302a-2054247.pdf?src-supplier=Digikey, ComponentLink5Description=https://datasheet.ciiva.com/2054/mic29302a-2054248.pdf?src-supplier=Digikey, ComponentLink5URL=https://datasheet.ciiva.com/2054/mic29302a-2054248.pdf?src-supplier=Digikey, Manufacturer Part Number=MIC29302AWU-TR, Pricing="100=1,91, 750=1,87 (EUR)", RoHS=Yes, Stock=814, Supplier=Farnell
U6: "1A Fixed 3.3V 18V SOT-223 Voltage Regulators - Linear, Low Drop Out (LDO) Regulators ROHS", Manufacturer="Tech Public", Supplier Part Number=C20611856, Category=LDO, Manufacturer Part Number=AMS1117-3.3V, Pricing="10=0,0402, 100=0,0315, 300=0,0271, 1000=0,0239, 4000=0,0213, 8000=0,02 (USD)", RoHS=No, Stock=2690, Supplier=LCSC
U7: library part "W25Q16JVUXIQ TR", "NOR Flash Serial (SPI, Dual SPI, Quad SPI) 3V/3.3V 16M-bit 2M x 8 6ns 8-Pin USON EP T/R", Manufacturer=Winbond, Supplier Part Number=256-W25Q16JVUXIQTRCT-ND, Category=Memory, Manufacturer Part Number="W25Q16JVUXIQ TR", Pricing="1=0,51, 10=0,477, 25=0,464, 50=0,4542, 100=0,4444, 250=0,43128, 500=0,4213, 1000=0,41135 (USD)", RoHS=No, Stock=6291, Supplier=Digikey
U8: library part ESP32-S3R8, "RF System on a Chip - SoC SMD IC, Dual-Core MCU, Wi-Fi 2.4G BLE 5.0 Combo", Manufacturer="Espressif Systems", Supplier Part Number=1904-ESP32-S3R8DKR-ND, Category="RF Receivers, Transceivers", ComponentLink1Description=https://datasheet.octopart.com/ESP32-S3R8-Espressif-Systems-datasheet-165560561.pdf?src-supplier=TME, ComponentLink1URL=https://datasheet.octopart.com/ESP32-S3R8-Espressif-Systems-datasheet-165560561.pdf?src-supplier=TME, Manufacturer Part Number=ESP32-S3R8, Pricing="1=2,51 (USD)", RoHS=No, Supplier=Digikey
U9: Manufacturer="Quectel Wireless Solutions", Supplier Part Number=2958-EC200UEUAA-N05-SGNSATR-ND, Category=Uncategorized, Manufacturer Part Number=EC200UEUAA-N05-SGNSA, Pricing="250=17,84728, 500=17,1182 (USD)", RoHS=No, Supplier=Digikey
X1: library part Q24FA20H0020900, Manufacturer=Seiko, Supplier Part Number=C255973, Manufacturer Part Number=Q24FA20H0020900, RoHS=No, Supplier=LCSC

## Via types
v1: diameter 0.5, hole 0.25, Top Layer to Bottom Layer, 379 vias
v2: diameter 0.45, hole 0.25, Top Layer to Bottom Layer, 7 vias

## Nets (pads, with @x,y where several pads share a name; then routed paths per layer and width w, separated by ;. In a path a pad name is that pad's centre, name@x,y a point inside that pad or via, vN(x,y) a via of type N, cw(c..) or ccw(c..) an arc to the next point about the centre after c; other vN are vias at no path point)
+3V3: C12.1 C16.1 C18.2 C19.1 C23.1 C27.1 C34.1 J3.5 J4.5 L2.1 LED3.2 R18.2 U6.2 U6.4 U8.20 U8.46 U8.55 U8.56 | length 23.5
  Top Layer w0.2: U6.4@12,22.974 12,26.25 LED3.2@12.35,26.6 ; v1(26.6,18.95) 26.681,18.95 27.021,18.61 27.061,18.61 27.29,18.381 27.29,18.035 U8.46@27.3,18.025 ; C34.1@29.075,26.55 29.186,26.661 29.186,27.336 29.375,27.525 34.258,27.525 35.428,26.355 35.428,26.022 v1(35.45,26) ; C34.1@29.15,26.425 29.3,26.275 U8.20@29.3,24.875 ; U8.55@30.9,18.025 30.9,18.594 31.156,18.85 v1(31.175,18.85) ; 31.1,18.025 U8.56@31.3,18.025 ; R18.2@37.485,19.35 37.495,19.35 38.438,20.293 38.643,20.293 v1(38.7,20.35)
  Bottom Layer w0.2: C27.1@26.6,16.85 27.15,16.85 ; v1(26.6,18.95) 27.3,18.25 27.3,17 27.15,16.85 ; C18.2@27.7,16.85 27.15,16.85 ; C16.1@30.25,18.8 30.3,18.85 v1(31.175,18.85) ; v1(35.45,26) 35.475,25.975 35.575,25.975 35.779,25.771 C23.1@35.779,24.625
  other v1: 10.3,9.625 11.625,9.675 12.7,9.725 10.45,11.1 12.7,11.15 11.6,11.175 12.4,19.375 12.45,20.3 37.92,22.875 38.75,22.9 38.5,23.55
+3V8: C11.2 C17.1 C44.2 C45.2 C46.2 C62.2 R7.2 R30.1 U5.4 U9.57 U9.58 U9.59 U9.60 | length 54.8
  Top Layer w0.4: v1(56.675,27.7) 58.781,29.806 74.878,29.806 75.975,28.708 v1(75.975,26.8) ; v1(69.839,44.381) 69.839,44.354 69.735,44.25 R30.1@69.735,43.1 69.735,41.565 C62.2@69.9,41.4
  Bottom Layer w0.4: v1(49.45,26.6) 55.575,26.6 v1(56.675,27.7) ; v1(69.839,44.381) 69.839,39.811 77.625,32.025 77.625,28.45 v1(75.975,26.8)
  other v1: 49.55,22.175 49.5,23.125 6.075,24.375 49.5,24.425 7.825,24.475 8.725,24.5 9.4,24.95 49.45,25.475 9.925,25.675 8.875,26.575 9.7,27.4 7.975,28.075